# Altium PCB DIOT_temperature_logger.PCBDOC (part 5 of 5)
Units mm, origin at the board's own origin, x right, y up, seen from the top; angles counter-clockwise.
Board outline 238.48 x 100 mm, 4 copper layers (TOP, G1, L2, BOT), stack 1.55 mm thick; 582 components, 585 nets, 2348 pads, 974 vias.
Unrouted connection lines stored in the file: 797.
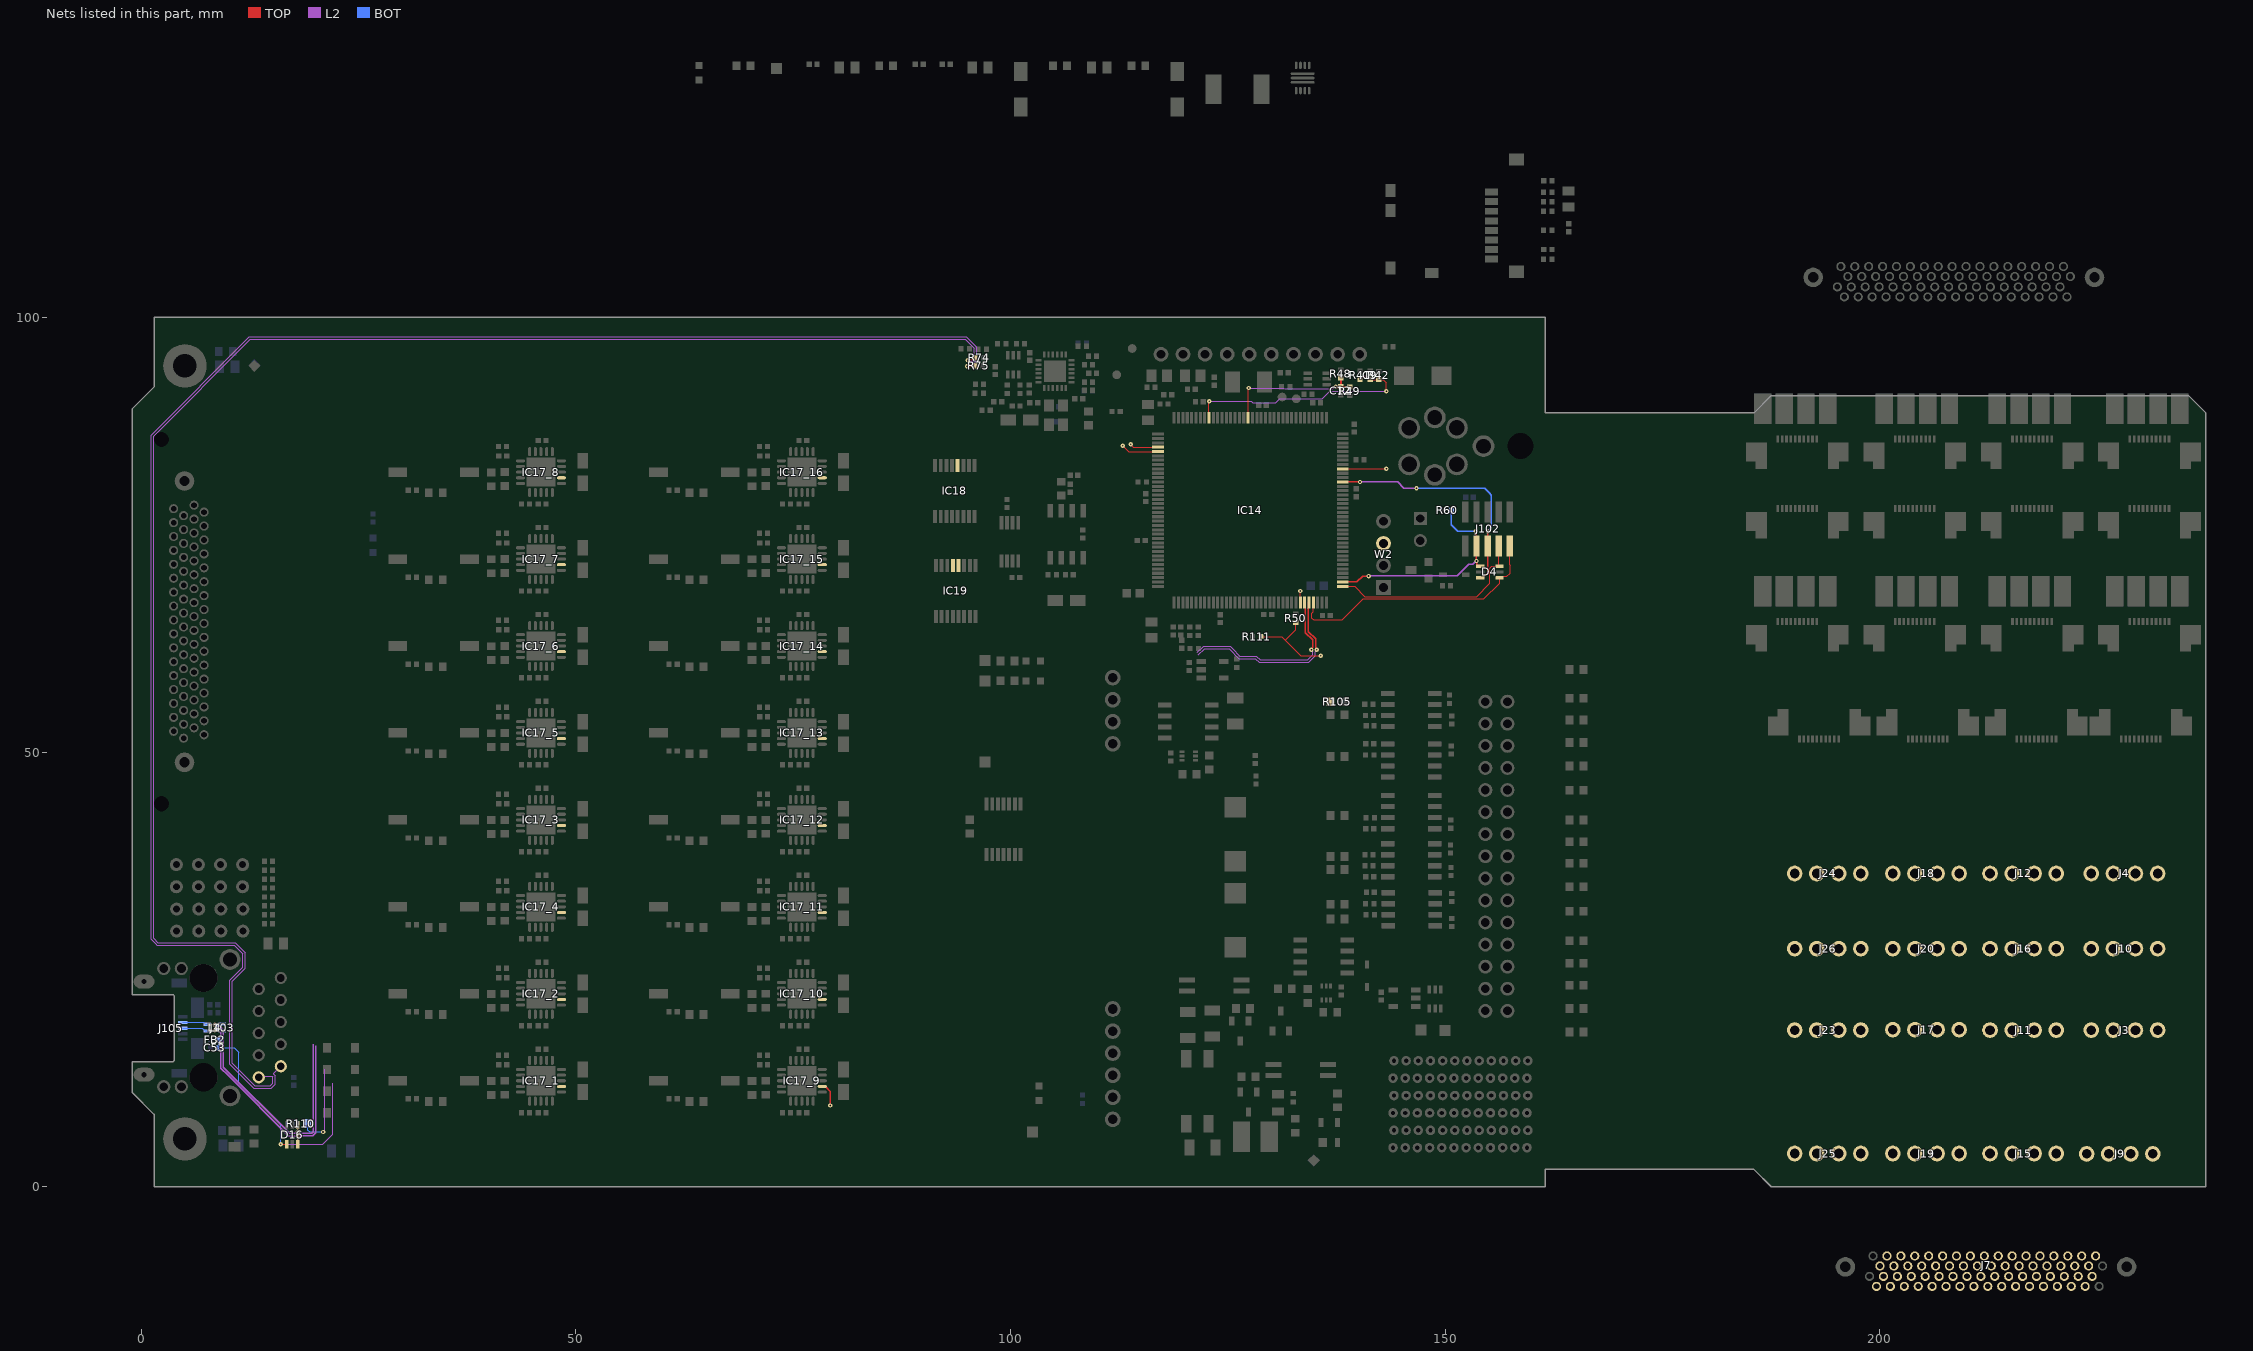
[diagram p7: the nets of this part, all layers, seen from the top]

## Via types
v1: diameter 0.5, hole 0.2, TOP to BOT, tented both sides, 922 vias
v2: diameter 0.7, hole 0.4, TOP to BOT, tented both sides, 39 vias
v3: diameter 0.5, hole 0.2, TOP to BOT, 5 vias
v4: diameter 0.66, hole 0.33, TOP to BOT, tented both sides, 5 vias
v5: diameter 0.6, hole 0.3, TOP to BOT, tented both sides, 2 vias
v6: diameter 0.6, hole 0.3, TOP to BOT, 1 vias

## Nets (pads, with @x,y where several pads share a name; then routed paths per layer and width w, separated by ;. In a path a pad name is that pad's centre, name@x,y a point inside that pad or via, vN(x,y) a via of type N, cw(c..) or ccw(c..) an arc to the next point about the centre after c; other vN are vias at no path point) (continued)
SPI1_NSS: IC14.40 IC18.4 IC19.4 IC19.5 | length 3.3
  TOP w0.127: v1(113.837,85.394) 113.837,85.344 114.112,85.069 115.967,85.069 IC14.40@116.953,85.069
SPI1_SCK: IC14.41 IC17_1.12 IC17_2.12 IC17_3.12 IC17_4.12 IC17_5.12 IC17_6.12 IC17_7.12 IC17_8.12 IC17_9.12 IC17_10.12 IC17_11.12 IC17_12.12 IC17_13.12 IC17_14.12 IC17_15.12 IC17_16.12 R105.1 | length 7.1
  TOP w0.127: v1(112.911,85.244) 113.586,84.569 IC14.41@116.953,84.569
  TOP w0.2: IC17_9.12@78.35,11.55 78.7,11.55 79.281,10.969 v1(79.281,9.351)
SWCLK: D4.3 IC14.109 J102.4 | length 23.3
  TOP w0.127: IC14.109@138.203,69.069 139.578,69.069 140.767,67.879 153.619,67.879 155.14,69.401 155.14,71.158 155.346,71.363 D4.3@155.937,71.363 ; J102.4@156.13,73.6 156.13,71.556 D4.3@155.937,71.363 ; D4.3@156.24,71.363 D4.3@155.937,71.363
SWDIO: D4.1 IC14.105 J102.2 | length 30.4
  TOP w0.127: IC14.105@134.828,67.194 134.828,66.136 134.664,65.972 134.664,65.398 134.855,65.208 138.161,65.208 140.579,67.625 154.441,67.625 156.24,69.425 D4.1@156.24,70.063 156.377,70.2 157.101,70.2 157.449,70.548 157.449,71.507 157.4,71.556 J102.2@157.4,73.6
TD_N: J103.2 R75.2 | length 195.5
  TOP w0.152: v1(95,94.373) 95.837,94.373 R75.2@95.899,94.435
  L2 w0.127: J103.2@16.079,13.865 16.079,13.828 16.042,13.828 15.281,13.066 15.281,12.924 15.439,12.766 15.439,11.804 14.972,11.337 12.96,11.337 10.225,14.072 10.225,23.74 11.719,25.235 11.719,26.78 11.242,27.257 10.704,27.796 1.834,27.796 1.752,27.877 1.171,28.459 1.171,86.458 12.472,97.759 94.914,97.759 95.543,97.13 95.642,97.031 96.136,96.537 96.136,95.113 95.605,94.582 95.261,94.582 95.052,94.373 v1(95,94.373)
TD_P: J103.1 R74.2 | length 193.3
  TOP w0.152: v1(95.07,95.07) 95.137,95.137 95.536,95.137 95.562,95.163 95.757,95.163 R74.2@95.929,95.335
  L2 w0.127: J103.1@13.539,12.595 13.671,12.726 15.083,12.726 15.159,12.65 15.159,11.919 14.856,11.616 13.076,11.616 10.504,14.188 10.504,23.624 11.999,25.119 11.999,26.896 10.82,28.075 1.95,28.075 1.45,28.575 1.45,86.342 12.588,97.48 94.798,97.48 95.857,96.421 95.857,95.229 95.489,94.861 95.331,94.861 95.122,95.07 v1(95.07,95.07)
TDI: D4.4 IC14.110 J102.8 R60.1 | length 26
  TOP w0.152: IC14.110@138.203,69.569 139.825,69.569 140.496,70.239 v1(141.186,70.239) ; v1(153.5,75.387) 153.545,75.342 153.545,72.025 v1(153.59,71.98) 153.642,71.929 D4.4@153.642,71.487 ; D4.4@153.642,71.487 153.917,71.487 D4.4@154.04,71.363 153.765,71.363 D4.4@153.642,71.487
  L2 w0.152: v1(141.186,70.239) 141.217,70.27 151.374,70.27 152.682,71.578 153.188,71.578 v1(153.59,71.98)
  BOT w0.152: R60.1@150.701,77.796 150.701,76.153 151.467,75.387 v1(153.5,75.387)
TDO: D4.6 IC14.133 J102.6 | length 27.9
  TOP w0.152: IC14.133@138.203,81.069 v1(140.2,81.069) ; D4.6@154.04,70.063 154.315,70.063 154.562,70.31 154.6,70.31 154.86,70.57 154.86,75.383 v1(154.864,75.387)
  L2 w0.152: v1(140.2,81.069) 144.528,81.069 145.247,80.35 v1(146.7,80.35)
  BOT w0.152: v1(146.7,80.35) 154.519,80.35 155.048,79.822 155.313,79.556 155.313,79.545 155.32,79.539 155.32,75.843 v1(154.864,75.387)
TFORCE_N0: J3.1 J7.5
TFORCE_N1: J7.9 J9.1
TFORCE_N2: J7.13 J11.1
TFORCE_N3: J7.17 J15.1
TFORCE_N4: J7.21 J17.1
TFORCE_N5: J7.25 J19.1
TFORCE_N6: J7.29 J23.1
TFORCE_N7: J7.33 J25.1
TFORCE_N8: J4.1@231.925,36.036 J7.39
TFORCE_N9: J7.43 J10.1
TFORCE_N10: J7.47 J12.1
TFORCE_N11: J7.51 J16.1
TFORCE_N12: J7.55 J18.1
TFORCE_N13: J7.59 J20.1
TFORCE_N14: J7.63 J24.1
TFORCE_N15: J7.67 J26.1
TFORCE_P0: J3.4 J7.2
TFORCE_P1: J7.6 J9.4
TFORCE_P2: J7.10 J11.4
TFORCE_P3: J7.14 J15.4
TFORCE_P4: J7.18 J17.4
TFORCE_P5: J7.22 J19.4
TFORCE_P6: J7.26 J23.4
TFORCE_P7: J7.30 J25.4
TFORCE_P8: J4.4 J7.36
TFORCE_P9: J7.40 J10.4
TFORCE_P10: J7.44 J12.4
TFORCE_P11: J7.48 J16.4
TFORCE_P12: J7.52 J18.4
TFORCE_P13: J7.56 J20.4
TFORCE_P14: J7.60 J24.4
TFORCE_P15: J7.64 J26.4
TRTDIN_N0: J3.2 J7.4
TRTDIN_N1: J7.8 J9.2
TRTDIN_N2: J7.12 J11.2
TRTDIN_N3: J7.16 J15.2
TRTDIN_N4: J7.20 J17.2
TRTDIN_N5: J7.24 J19.2
TRTDIN_N6: J7.28 J23.2
TRTDIN_N7: J7.32 J25.2
TRTDIN_N8: J4.2@229.385,36.036 J7.38
TRTDIN_N9: J7.42 J10.2
TRTDIN_N10: J7.46 J12.2
TRTDIN_N11: J7.50 J16.2
TRTDIN_N12: J7.54 J18.2
TRTDIN_N13: J7.58 J20.2
TRTDIN_N14: J7.62 J24.2
TRTDIN_N15: J7.66 J26.2
TRTDIN_P0: J3.3 J7.3
TRTDIN_P1: J7.7 J9.3
TRTDIN_P2: J7.11 J11.3
TRTDIN_P3: J7.15 J15.3
TRTDIN_P4: J7.19 J17.3
TRTDIN_P5: J7.23 J19.3
TRTDIN_P6: J7.27 J23.3
TRTDIN_P7: J7.31 J25.3
TRTDIN_P8: J4.3@226.845,36.036 J7.37
TRTDIN_P9: J7.41 J10.3
TRTDIN_P10: J7.45 J12.3
TRTDIN_P11: J7.49 J16.3
TRTDIN_P12: J7.53 J18.3
TRTDIN_P13: J7.57 J20.3
TRTDIN_P14: J7.61 J24.3
TRTDIN_P15: J7.65 J26.3
TXD: IC14.136 W2.3 | length 5
  TOP w0.127: IC14.136@138.203,82.569 143.224,82.569 v1(143.231,82.575)
U_meas_P3V3: C12.1 IC14.19 R48.1 R49.1 | length 16.2
  TOP w0.127: IC14.19@127.328,88.444 127.367,88.483 127.367,91.833 v1(127.406,91.872)
  TOP w0.254: v1(137.387,92) C12.1@138,92 ; R48.1@138,93.03 C12.1@138,92 ; R49.1@139,91.97 138.985,91.985 138.015,91.985 C12.1@138,92
  L2 w0.127: v1(127.406,91.872) 131.447,91.872 131.559,91.76 137.046,91.76 137.286,92 v1(137.387,92)
U_meas_P12V0: C9.1 IC14.28 R41.1 R42.1 | length 27.5
  TOP w0.127: IC14.28@122.828,88.444 122.828,90.318 v1(122.865,90.355) ; R41.1@140.2,92.864 140.22,92.864 140.666,93.31 140.938,93.31 141.404,92.844 R42.1@142.345,92.844 142.845,92.844 143.231,92.459 v1(143.231,91.491)
  L2 w0.127: v1(122.865,90.355) 127.693,90.355 127.884,90.164 130.481,90.164 130.951,90.634 135.877,90.634 136.733,91.491 v1(143.231,91.491)
USB_ID: C53.2 D16.1 FB2.1 IC14.102 | length 30.4
  TOP w0.127: v1(16.079,4.9) D16.1@16.75,4.9 ; IC14.102@133.328,67.194 v1(133.328,68.534)
  L2 w0.127: v1(16.079,4.9) 20.888,4.9 22.056,6.067 22.056,11.919
  BOT w0.127: FB2.1@8.945,16.925 8.945,15.985 C53.2@8.935,15.975 10.724,15.975 11.239,15.46 11.239,11.97 16.079,7.13 v1(16.079,4.9)
USB_N: D16.4 IC14.103 L4.2 | length 51.6
  TOP w0.127: v1(18.033,6.316) 18.033,7.083 D16.4@18.05,7.1
  TOP w0.17: IC14.103@133.828,67.194 133.917,67.105 133.917,63.734 134.757,62.894 134.757,62.012
  L2 w0.127: 121.481,61.454 122.205,62.178 125.25,62.178 125.878,61.55 125.977,61.451 126.391,61.036 128.262,61.036 128.699,60.599 134.194,60.599 134.778,61.184 134.778,61.54 134.604,61.714 v1(134.604,61.77)
  L2 w0.152: v1(8.475,18.636) 8.569,18.636 8.73,18.474 9.079,18.474 9.484,18.07 9.484,13.778 17.118,6.144 17.77,6.144 17.942,6.316 v1(18.033,6.316) 18.127,6.316 18.277,6.166 19.641,6.166 19.8,6.325 19.8,16.373
  BOT w0.127: 8.684,18.462 8.916,18.462 8.938,18.485 8.938,18.586 9.075,18.722 L4.2@9.325,18.722
USB_P: D16.3 IC14.104 L4.3 | length 52
  TOP w0.127: v1(18.048,5.689) 18.048,4.902 D16.3@18.05,4.9
  TOP w0.17: IC14.104@134.328,67.194 134.239,67.105 134.239,63.867 135.079,63.027 135.079,62.012
  L2 w0.127: 121.596,61.175 122.32,61.898 125.134,61.898 126.276,60.757 128.146,60.757 128.583,60.32 134.31,60.32 135.058,61.068 135.058,61.54 135.231,61.714 v1(135.231,61.77)
  L2 w0.152: v1(8.475,18.009) 8.569,18.009 8.73,18.17 8.953,18.17 9.179,17.944 9.179,13.652 10.021,12.811 10.236,12.595 16.992,5.839 17.804,5.839 ; v1(18.048,5.689) 18.139,5.689 18.311,5.862 19.767,5.862 20.104,6.199 20.104,16.247
  BOT w0.127: 8.684,18.183 8.916,18.183 8.938,18.16 8.938,18.059 9.075,17.922 L4.3@9.325,17.922
USB_VBUS: R50.2 R110.1 R111.1 | length 20.3
  TOP w0.127: R111.1@128.798,63.294 131.193,63.294 131.62,62.867 ; R50.2@132.828,64.929 132.828,64.075 131.62,62.867 ; v1(135.691,61.094) 133.393,61.094 131.62,62.867
  L2 w0.127: v1(20.94,6.307) 21.15,6.517 21.15,13.55
  BOT w0.127: R110.1@19.175,7.275 19.175,6.525 19.393,6.307 v1(20.94,6.307)
USBJ_N: J105.2 L4.1 | length 2.9
  BOT w0.127: J105.2@4.8,18.9 7.197,18.9 7.375,18.722 L4.1@7.625,18.722
USBJ_P: J105.3 L4.4 | length 3
  BOT w0.127: J105.3@4.8,18.25 7.047,18.25 7.375,17.922 L4.4@7.625,17.922
pads on no net: D1.1 D1.6 D2.2 D15.1 D15.6 D16.6 FTG1.1 FTG2.1 FTG3.1 FTG4.1 IC3.3@143.394,43.733 IC3.4@111.76,15.373 IC3.5 IC3.6 IC3.9 IC4.3@148.794,43.733 IC4.4@148.794,45.003 IC4.6 IC5.3 IC5.4 IC5.6 IC6.5 IC6.6 IC12.5 IC14.3 IC14.4 IC14.5 IC14.12 IC14.14 IC14.15 IC14.18 IC14.26 IC14.29 IC14.34 IC14.37 IC14.46 IC14.47 IC14.49 IC14.58 IC14.60 IC14.64 IC14.67 IC14.70 IC14.81 IC14.82 IC14.85 IC14.86 IC14.89 IC14.90 IC14.91 IC14.92 IC14.96 IC14.97 IC14.115 IC14.117 IC14.118 IC14.119 IC14.122 IC14.123 IC14.127 IC16.1@104.567,72.361 IC16.3@107.107,72.361 IC16.5@108.377,77.761 IC16.8@104.567,77.761 IC17_1.17 IC17_1.18 IC17_2.17 IC17_2.18 IC17_3.17 IC17_3.18 IC17_4.17 IC17_4.18 IC17_5.17 IC17_5.18 IC17_6.17 IC17_6.18 IC17_7.17 IC17_7.18 IC17_8.17 IC17_8.18 IC17_9.17 IC17_9.18 IC17_10.17 IC17_10.18 IC17_11.17 IC17_11.18 IC17_12.17 IC17_12.18 IC17_13.17 IC17_13.18 IC17_14.17 IC17_14.18 IC17_15.17 IC17_15.18 IC17_16.17 IC17_16.18 J1.MECH J2.MECH J4.2@148.797,88.485 J5.5@158.641,85.185 J5.MECH J6.MECH J7.69 J7.70 J7.71 J7.72 J8.69 J8.70 J8.71 J8.72 J13.MECH J14.MECH J21.MECH J22.MECH J27.MECH J28.MECH J45.MECH J46.MECH J63.MECH J64.MECH J81.MECH J82.MECH J100.A5 J100.B1 J100.B5 J100.B6 J100.C6 J100.D5 J100.E2 J100.E4 J100.E5 J100.F2 J100.F4 J100.G3 J100.H2 J100.H3 J100.H6 J100.I2 J100.I6 J100.J3 J100.K3 J100.K6 J100.L2 J100.L6 J102.7 J102.9 J103.MH1 J103.MH2 J104.71 J104.72
copper on no net: | length 102.4
  TOP w0.127: 123.828,88.444 123.936,88.552 123.936,91.933 v1(124.29,92.287) ; v1(130.791,89.852) 130.81,89.833 130.81,88.462 130.828,88.444 ; 138.203,76.069 141.468,76.069 142.037,75.499 144.533,75.499 144.602,75.569 v1(144.635,75.569) ; v1(143.637,24.765) 145.125,24.765 ; v1(145.4,29.108) 148.851,29.108 149.157,28.803 149.157,28.04 149.157,26.926 149.419,26.665 149.487,26.665 ; 145.718,28.04 145.718,28.02 145.213,27.514 145.213,26.753 v1(146.087,26.753) ; v1(148.319,24.765) 149.487,24.765
  L2 w0.127: v1(124.29,92.287) 124.316,92.312 131.366,92.312 131.664,92.014 135.53,92.014 136.23,92.714 v1(139.3,92.714) ; v1(130.791,89.852) 131.929,89.852 132.193,90.115 135.897,90.115 136.337,89.675 v1(141.805,89.675)
  BOT w0.127: v1(143.637,23.419) 143.738,23.419 143.992,23.165 146.718,23.165 ; v1(143.637,24.765) 144.893,24.765 ; v1(144.635,75.569) 145.492,74.711 145.492,51.621 145.492,39.243 145.214,38.964 145.214,33.01 ; 146.718,24.765 v1(148.319,24.765)
  BOT w0.2: 67.102,14.843 70.3,14.843
  other v1: 183.495,2.567 185.975,2.842 183.495,3.067 185.975,3.342 183.495,3.567 185.975,3.842 183.495,4.067 185.975,4.342 183.495,4.567 185.975,4.842 183.495,5.067 185.975,5.342 183.495,5.584 185.975,5.842 183.495,6.084 183.495,6.584 185.995,6.671 183.495,7.084 185.995,7.171 183.495,7.584 185.995,7.671 183.495,8.084 185.995,8.171 183.495,8.584 185.995,8.671 185.995,9.171 183.495,9.199 185.995,9.671 183.495,9.699 183.495,10.199 185.995,10.671 183.495,10.699 185.995,11.171 183.495,11.199 185.995,11.671 183.495,11.699 185.995,12.171 183.495,12.199 185.995,12.671 183.495,13 185.995,13.171 183.495,13.5 185.995,13.671 183.495,14 183.495,14.5 185.995,14.566 183.495,15 185.995,15.066 183.495,15.5 185.995,15.566 183.495,16 185.995,16.066 185.995,16.566 183.495,17 185.995,17.066 183.495,17.5 185.995,17.566 183.495,18 185.995,18.171 183.495,18.5 185.995,18.671 183.495,19 185.995,19.171 183.495,19.5 185.995,19.671 183.495,20 185.995,20.171 185.995,20.671 183.495,21 185.995,21.171 183.495,21.5 183.495,22 183.495,22.5 183.495,23 183.495,23.5 183.495,24 183.495,25 183.495,25.5 183.495,26 183.495,26.5 183.495,27 183.495,27.5 183.495,28 183.495,29 183.495,29.5 183.495,30 183.495,30.5 183.495,31 183.495,31.5 183.495,32 183.495,32.895 183.495,33.395 183.495,33.895 183.495,34.395 183.495,34.895 183.495,35.395 183.495,35.895 183.495,36.75 183.495,37.25 183.495,37.75 183.495,38.25 183.495,38.75 183.495,39.25 183.495,39.75 183.495,40.59 183.495,41.09 183.495,41.59 184.495,42 184.995,42 185.495,42 185.995,42 186.495,42 186.995,42 187.495,42 188.254,42 188.754,42 189.254,42 189.754,42 190.254,42 190.754,42 191.254,42 191.864,42 192.364,42 192.864,42 193.364,42 193.864,42 194.364,42 194.864,42 195.464,42 195.964,42 196.464,42 196.964,42 197.464,42 197.964,42 198.464,42 199.214,42 199.714,42 200.214,42 200.714,42 201.214,42 201.714,42 202.214,42 202.884,42 203.384,42 203.884,42 204.384,42 204.884,42 205.384,42 205.884,42 206.389,42 206.889,42 207.389,42 207.889,42 208.389,42 208.889,42 209.389,42 209.995,42 210.495,42 210.995,42 211.495,42 211.995,42 212.495,42 212.995,42 213.635,42 214.135,42 214.635,42 215.135,42 215.635,42 216.135,42 216.635,42 217.274,42 217.774,42 218.274,42 218.774,42 219.274,42 219.774,42 220.274,42 220.995,42 221.495,42 221.995,42 222.495,42 222.995,42 223.495,42 223.995,42 224.724,42 225.224,42 225.724,42 226.224,42 226.724,42 227.224,42 227.724,42 228.384,42 228.884,42 229.384,42 229.884,42 230.384,42 230.884,42 231.384,42 231.964,42 232.464,42 232.964,42 233.464,42 233.964,42 234.464,42 234.964,42 235.495,42 235.995,42 236.495,42 183.495,42.09 183.495,42.59 185.995,43 183.495,43.09 185.995,43.5 183.495,43.59 185.995,44 183.495,44.481 185.995,44.5 183.495,44.981 185.995,45 183.495,45.481 185.995,45.5 183.495,45.981 185.995,46 183.495,46.481 183.495,46.981 185.995,47 183.495,47.481 185.995,47.5 185.995,48 183.495,48.5 185.995,48.5 183.495,49 185.995,49 183.495,49.5 185.995,49.5 183.495,50 185.995,50 183.495,50.5 185.995,50.895 183.495,51 185.995,51.395 183.495,51.5 185.995,51.895 207.745,52.277 183.495,52.397 185.995,52.395 185.995,52.895 183.495,52.897 183.495,53.397 185.995,53.395 183.495,53.897 185.995,53.895 183.495,54.397 185.995,54.5 183.495,54.897 185.995,55 183.495,55.397 185.995,55.5 185.995,56 183.495,56.334 185.995,56.5 183.495,56.834 185.995,57 183.495,57.334 185.995,57.5 183.495,57.834 183.495,58.334 184.495,58.632 184.995,58.632 185.495,58.632 185.995,58.632 186.495,58.632 186.995,58.632 187.495,58.632 188.254,58.632 188.754,58.632 189.254,58.632 189.754,58.632 190.254,58.632 190.754,58.632 191.254,58.632 191.864,58.632 192.364,58.632 192.864,58.632 193.364,58.632 193.864,58.632 194.364,58.632 194.864,58.632 195.464,58.632 195.964,58.632 196.464,58.632 196.964,58.632 197.464,58.632 197.964,58.632 198.464,58.632 199.214,58.632 199.714,58.632 200.214,58.632 200.714,58.632 201.214,58.632 201.714,58.632 202.214,58.632 202.884,58.632 203.384,58.632 203.884,58.632 204.384,58.632 204.884,58.632 205.384,58.632 205.884,58.632 206.389,58.632 206.889,58.632 207.389,58.632 207.889,58.632 208.389,58.632 208.889,58.632 209.389,58.632 209.995,58.632 210.495,58.632 210.995,58.632 211.495,58.632 211.995,58.632 212.495,58.632 212.995,58.632 213.635,58.632 214.135,58.632 214.635,58.632 215.135,58.632 215.635,58.632 216.135,58.632 216.635,58.632 217.274,58.632 217.774,58.632 218.274,58.632 218.774,58.632 219.274,58.632 219.774,58.632 220.274,58.632 220.995,58.632 221.495,58.632 221.995,58.632 222.495,58.632 222.995,58.632 223.495,58.632 223.995,58.632 224.724,58.632 225.224,58.632 225.724,58.632 226.224,58.632 226.724,58.632 227.224,58.632 227.724,58.632 228.384,58.632 228.884,58.632 229.384,58.632 229.884,58.632 230.384,58.632 230.884,58.632 231.384,58.632 231.964,58.632 232.464,58.632 232.964,58.632 233.464,58.632 233.964,58.632 234.464,58.632 234.964,58.632 235.495,58.632 235.995,58.632 236.495,58.632 183.495,58.834 183.495,59.334 224.495,59.482 197.464,59.5 210.964,59.5 197.464,60 210.964,60 224.495,59.982 183.495,60.271 224.495,60.482 197.464,60.5 210.964,60.5 183.495,60.771 224.495,60.982 197.464,61 210.964,61 183.495,61.271 197.464,61.5 210.964,61.5 224.495,61.482 183.495,61.771 224.495,62 197.464,62.018 210.964,62.018 183.495,62.271 197.464,62.518 210.964,62.518 224.495,62.5 183.495,62.771 224.495,63 197.464,63.018 210.964,63.018 183.495,63.271 224.495,63.5 197.464,63.518 210.964,63.518 197.464,64.018 210.964,64.018 224.495,64 183.495,64.209 224.495,64.5 197.464,64.518 210.964,64.518 183.495,64.709 224.495,65 197.464,65.018 210.964,65.018 183.495,65.209 183.495,65.709 197.464,65.795 210.964,65.795 224.495,65.777 183.495,66.209 224.495,66.277 197.464,66.295 210.964,66.295 183.495,66.709 224.495,66.777 197.464,66.795 210.964,66.795 183.495,67.209 197.464,67.295 210.964,67.295 224.495,67.277 224.495,67.777 197.464,67.795 210.964,67.795 183.495,68 224.495,68.277 197.464,68.295 210.964,68.295 183.495,68.5 197.464,68.795 210.964,68.795 224.495,68.777 183.495,69 224.495,69.392 197.464,69.41 210.964,69.41 183.495,69.5 197.464,69.91 210.964,69.91 224.495,69.892 183.495,70 224.495,70.392 197.464,70.41 210.964,70.41 183.495,70.5 183.495,71 184.495,71 184.995,71 185.495,71 185.995,71 186.495,71 186.995,71 187.495,71 188.254,71 188.754,71 189.254,71 189.754,71 190.254,71 190.754,71 191.254,71 191.864,71 192.364,71 192.864,71 193.364,71 193.864,71 194.364,71 194.864,71 195.464,71 195.964,71 196.464,71 196.964,71 197.464,71 197.964,71 198.464,71 199.214,71 199.714,71 200.214,71 200.714,71 201.214,71 201.714,71 202.214,71 202.884,71 203.384,71 203.884,71 204.384,71 204.884,71 205.384,71 205.884,71 206.389,71 206.889,71 207.389,71 207.889,71 208.389,71 208.889,71 209.389,71 209.995,71 210.495,71 210.995,71 211.495,71 211.995,71 212.495,71 212.995,71 213.635,71 214.135,71 214.635,71 215.135,71 215.635,71 216.135,71 216.635,71 217.274,71 217.774,71 218.274,71 218.774,71 219.274,71 219.774,71 220.274,71 220.995,71 221.495,71 221.995,71 222.495,71 222.995,71 223.495,71 223.995,71 224.724,71 225.224,71 225.724,71 226.224,71 226.724,71 227.224,71 227.724,71 228.384,71 228.884,71 229.384,71 229.884,71 230.384,71 230.884,71 231.384,71 231.964,71 232.464,71 232.964,71 233.464,71 233.964,71 234.464,71 234.964,71 235.495,71 235.995,71 236.495,71 183.495,71.48 183.495,71.98 183.495,72.48 183.495,72.98 183.495,73.48 183.495,73.98 183.495,74.48 183.495,75 183.495,75.5 183.495,76 183.495,76.5 183.495,77 183.495,77.5 183.495,78 183.495,78.5 183.495,79 183.495,79.5 183.495,80 183.495,80.5 183.495,81 183.495,81.5 183.495,82 183.495,82.5 183.495,83 183.495,83.5 183.495,84 183.495,84.5 183.495,85 183.495,85.5 183.495,86 183.495,86.5 183.495,87 183.495,87.5 183.495,88

## Polygon pours and split planes (outlines as drawn)
P3V3 on TOP "O8_Vs2" (solid, remove dead copper, shelved, pour order 53): 113.723,92.55 113.723,65.094 115.84,62.977 137.87,62.977 139.744,61.102 142.697,61.102 143.217,61.623 143.217,66.56 144.536,67.879 153.05,67.879 154.864,69.693 154.864,77.655 152.95,79.569 145.248,79.569 142.866,81.951 142.866,96.426 141.659,97.632 115.546,97.632 113.575,95.661 113.575,92.53
P12V0_IN on TOP "TOP-P12V0_IN" (solid, remove dead copper, shelved, pour order 51): 125.376,51.393 125.883,50.886 129.31,50.886 130.086,51.662 133.49,51.662 133.525,51.697 133.798,51.424 133.798,22.163 135.763,20.198 145.461,10.5 151.052,10.5 151.749,11.197 151.749,13.757 148.603,16.904 145.799,16.904 140.223,22.48 140.223,55.798 141.447,57.023 153.775,57.023 161.5,64.748 161.5,90.036 155.036,96.5 145.039,96.5 143.529,94.989 143.529,82.361 145.621,80.269 156.7,80.269 157.803,79.166 157.803,67.209 151.284,60.691 134.244,60.691 133.234,59.68 133.234,55.164 126.137,55.207 125.376,54.447
P12V0_POE on TOP "O8_Vs2" (solid, remove dead copper, shelved, pour order 48): 133.554,51.308 133.579,31.572 115.864,31.572 115.864,56 117.014,57.15 123.654,57.15 124.71,56.094 124.71,48.792 126.375,47.127 128.165,47.127 128.828,47.789 128.828,49.768 130.368,51.308
P12V0 on TOP "O8_Vs2" (solid, remove dead copper, shelved, pour order 55): 108.687,58.007 113.011,62.332 122.497,62.332 126.298,58.531 131.895,58.531 132.705,57.721 132.705,55.842 132.344,55.481 125.668,55.481 121.785,59.364 116.705,59.364 115.637,58.296 115.637,25.382 113.011,22.757 113.011,3.711 111.4,2.1 109.425,2.1 108.687,2.838
P12V0_EEM on TOP "O8_Vs2" (solid, remove dead copper, shelved, pour order 47): 152.578,9.042 159.004,9.042 161.011,11.049 161.011,22.758 159.588,24.181 154.178,24.181 152.537,22.54 152.537,9.109 152.578,9.068
AVDDT_PHY on BOT "O8_Vs2" (solid, remove dead copper, shelved, pour order 56): 102.46,97.104 104.22,95.344 104.22,89.38 102.775,87.935 95.758,87.935 93.929,89.764 93.929,94.417 95.535,96.023 97.378,96.023 98.46,97.104
P3V3 on L2 "O8_Vs2" (solid, remove dead copper, shelved, pour order 52): 140.382,27.356 140.382,60.022 137.344,63.059 115.376,63.059 114.117,64.318 114.117,67.407 115.739,69.029 132.358,69.029 135.078,71.749 135.078,86.951 134.536,87.493 107.96,87.493 105.825,89.628 86.013,89.628 85.319,90.322 85.319,92.498 85.217,92.6 88.304,95.687 114.53,95.687 116.843,98 149.071,98 158.318,88.753 158.318,29.591 154.404,25.677 141.274,25.677 140.411,26.539 140.411,27.356
GND on G1 (split plane): 160.984,89 160.994,88.9 161.023,88.805 161.07,88.716 161.134,88.639 161.211,88.576 161.299,88.528 161.395,88.499 161.495,88.49 185.495,88.49 185.594,88.499 185.69,88.528 185.778,88.576 185.856,88.639 187.706,90.49 235.283,90.49 236.984,88.789 236.984,0.51 187.706,0.51 185.856,2.361 185.778,2.424 185.69,2.472 185.594,2.501 185.495,2.51 161.495,2.51 161.395,2.501 161.299,2.472 161.211,2.424 161.134,2.361 161.07,2.284 161.023,2.195 160.994,2.1 160.984,2 160.984,0.51 2.01,0.51 2.01,8.32 2.001,8.419 1.972,8.515 1.924,8.603 1.861,8.681 -0.479,11.02 -0.479,13.89 3.7,13.89 3.8,13.899 3.895,13.928 3.984,13.976 4.061,14.039 4.161,14.139 4.224,14.216 4.272,14.305 4.301,14.4 4.31,14.5 4.31,22 4.301,22.1 4.272,22.195 4.224,22.284 4.161,22.361 4.061,22.461 3.984,22.524 3.895,22.572 3.8,22.601 3.7,22.61 -0.479,22.61 -0.479,89.299 0.861,90.639 1.861,91.639 1.924,91.716 1.972,91.805 2.001,91.9 2.01,92 2.01,99.489 160.984,99.489

## Keep-outs
KeepOutLayer:
  lines w0.254: 160.56,85.164 cw(c158.641,85.185) 160.56,85.185 ; 183.092,1.597 185.898,1.597 187.495,0 237.495,0 237.495,21.367 237.918,21.79 237.918,51.356 237.495,51.779 237.495,89 235.495,91 187.495,91 185.747,89.252 183.242,89.252

## Other copper
TOP:
  rectangle net LVDS0_P: 149.428,55.27 149.835,55.601
  rectangle net LVDS0_N: 149.377,56.439 149.835,56.794
  rectangle net NetIC1_3: 141.656,55.296 142.164,55.677
  rectangle net NetIC10_7: 141.986,32.334 142.723,32.817
  rectangle net NetIC10_6: 142.037,31.039 142.773,31.572
  rectangle net LVDS3_N: 150.038,40.996 150.495,41.402
  rectangle net LVDS4_P: 149.143,37.877 150.084,38.457
  rectangle net LVDS4_N: 149.09,39.191 149.988,39.746
BOT:
  rectangle net GND: 104.135,92.759 106.135,94.872
  rectangle net LVDS0_N: 149.377,56.439 149.86,56.82
  rectangle net LVDS0_P: 149.352,55.22 149.835,55.677
  rectangle net LVDS4_N: 149.428,39.294 149.809,39.675
  rectangle net LVDS4_P: 149.352,37.998 149.809,38.405
  rectangle net NetIC10_6: 142.367,31.064 142.9,31.521
G1 (plane layer: these items are gaps in the copper):
  rectangle: 14.475,22 15.878,23.525

## Silkscreen, mask and mechanical layers (free items; w line width, h text height)
TopOverlay:
  drawing of 542 lines, arcs and shapes, not listed
  text "WUT ISE / CTI 2024" at 94.75,97.627 h1.02
  text "PT1000_8CH v2.0" at 65,97.5 h1.52
  text "+12V" at 151.473,91.215 h1.02
  text "BOOT" at 146.8,77.427 h1 r270
  text "UART" at 140.132,76.54 h1
  text "GND" at 141.186,75.007 h1 r90
  text "TX" at 139.268,73.075 h1
  text "RX" at 139.144,70.732 h1
  text "CPU JTAG" at 156.997,69.113 h1
  text "3V3" at 140.843,66.75 h1 r90
  text "SENS6" at 196.32,66.481 h0.76 r90
  text "SENS4" at 210.145,66.295 h0.76 r90
  text "SENS2" at 223.345,66.237 h0.76 r90
  text "SENS0" at 236.545,65.902 h0.76 r90
  text "F+" at 185.845,65.734 h0.76
  text "F+" at 185.845,65.734 h0.76
  text "I+" at 188.25,65.734 h0.76
  text "I+" at 188.25,65.734 h0.76
  text "I-" at 190.655,65.734 h0.76
  text "I-" at 190.655,65.734 h0.76
  text "F-" at 193.06,65.734 h0.76
  text "F-" at 193.06,65.734 h0.76
  text "F+" at 199.845,65.734 h0.76
  text "I+" at 202.25,65.734 h0.76
  text "I-" at 204.655,65.734 h0.76
  text "F-" at 207.06,65.734 h0.76
  text "F+" at 212.845,65.734 h0.76
  text "I+" at 215.25,65.734 h0.76
  text "I-" at 217.655,65.734 h0.76
  text "F-" at 220.06,65.734 h0.76
  text "F+" at 226.345,65.734 h0.76
  text "I+" at 228.75,65.734 h0.76
  text "I-" at 231.155,65.734 h0.76
  text "F-" at 233.56,65.734 h0.76
  text "EEM Downstream" at 150.956,64.15 h1
  text "/ Upstream" at 150.756,62.02 h1
  text "SENS 0 1" at 225.539,48.745 h1.27
  text "SENS 2 3" at 212.785,48.693 h1.27
  text "SENS 6 7" at 186.766,48.641 h1.27
  text "SENS 4 5" at 199.279,48.632 h1.27
  text "P3V3" at 62.153,36.378 h0.7 r90
  text "SDA" at 148.196,15.64 h1
  text "SCL" at 144.877,15.566 h1
  text "4" at 189.674,14.461 h0.76 r180
  text "1" at 198.781,14.461 h0.76 r180
  text "4" at 223.254,14.461 h0.76 r180
  text "1" at 232.361,14.461 h0.76 r180
  text "SENS6" at 190.071,12.913 h1.52
  text "SENS4" at 202.509,12.913 h1.52
  text "SENS2" at 213.751,12.913 h1.52
  text "SENS0" at 223.636,12.913 h1.52
  text "P12V0" at 107.872,7.641 h0.7 r90
  text "4-F+ / 3-I+ / 2-I- / 1-F-" at 232.564,7.413 h1.02
  text "1" at 222.786,7.305 h0.76
  text "4" at 231.894,7.305 h0.76
  text "SENS7" at 190.071,6.933 h1.52
  text "SENS5" at 201.865,6.933 h1.52
  text "SENS3" at 212.995,6.933 h1.52
  text "SENS1" at 223.995,6.883 h1.52
BottomOverlay:
  drawing of 541 lines, arcs and shapes, not listed
  text "WUT ISE / CTI 2024" at 33.25,97.627 h1.02
  text "PT1000_8CH v2.0" at 62.75,97.5 h1.52
  text "F+" at 185.845,66.766 h0.76 r180
  text "I+" at 188.25,66.766 h0.76 r180
  text "I-" at 190.655,66.766 h0.76 r180
  text "F-" at 193.06,66.766 h0.76 r180
  text "F+" at 199.845,66.766 h0.76 r180
  text "I+" at 202.25,66.766 h0.76 r180
  text "I-" at 204.655,66.766 h0.76 r180
  text "F-" at 207.06,66.766 h0.76 r180
  text "F+" at 212.845,66.766 h0.76 r180
  text "I+" at 215.25,66.766 h0.76 r180
  text "I-" at 217.655,66.766 h0.76 r180
  text "F-" at 220.06,66.766 h0.76 r180
  text "F+" at 226.345,66.766 h0.76 r180
  text "I+" at 228.75,66.766 h0.76 r180
  text "I-" at 231.155,66.766 h0.76 r180
  text "F-" at 233.56,66.766 h0.76 r180
  text "SENS7" at 195.464,66.49 h0.76 r270
  text "SENS5" at 209.165,66.361 h0.76 r270
  text "SENS3" at 222.495,66.237 h0.76 r270
  text "SENS1" at 235.645,66.074 h0.76 r270
BottomSolder:
  rectangle: 47.142,61.9 53.848,64.872
  rectangle: 104.191,92.862 106.045,94.742
Mechanical1:
  lines w0.1: -0.989,10.809 -0.989,14.4 3.7,14.4 3.8,14.5 3.8,22 3.7,22.1 -0.989,22.1 -0.989,89.511 0.5,91 1.5,92 1.5,100 161.495,100 161.495,89 185.495,89 187.495,91 235.495,91 237.495,89 237.495,0 236.495,0 187.495,0 185.495,2 161.495,2 161.495,0 1.5,0 1.5,8.32 -0.989,10.809

## Text inside footprints (layer, text, board x,y; h text height)
IC3: TopOverlay "1" at 112.31,5.639 h1.2 r90; Mechanical14 "1" at 112.31,5.639 h1.2 r90
J3: TopOverlay "4" at 224.686,16.255 h1 r180; TopOverlay "1" at 232.052,16.255 h1 r180; TopOverlay "2" at 229.766,16.255 h1 r180; TopOverlay "3" at 227.226,16.255 h1 r180
J4: TopOverlay "4" at 224.686,34.258 h1 r180; TopOverlay "1" at 232.052,34.258 h1 r180; TopOverlay "2" at 229.766,34.258 h1 r180; TopOverlay "3" at 227.226,34.258 h1 r180
J5: TopOverlay "1" at 150.391,89.66 h1.2 r270; Mechanical14 "1" at 150.391,89.66 h1.2 r270
J7: Mechanical14 "33" at 200.575,-13.771 h1.2; Mechanical14 "1" at 225.354,-13.773 h1.2; BottomOverlay "33" at 200.575,-13.771 h1.2; BottomOverlay "68" at 199.889,-6.939 h1.2; BottomOverlay "1" at 225.354,-13.773 h1.2; BottomOverlay "36" at 225.489,-6.939 h1.2; Mechanical8 "EDGE OF PCB" at 216.212,-2.478 h1
J8: Mechanical14 "33" at 196.875,100.029 h1.2; Mechanical14 "1" at 221.654,100.027 h1.2; BottomOverlay "33" at 196.875,100.029 h1.2; BottomOverlay "68" at 196.189,106.861 h1.2; BottomOverlay "1" at 221.654,100.027 h1.2; BottomOverlay "36" at 221.789,106.861 h1.2; Mechanical8 "EDGE OF PCB" at 212.512,111.322 h1
J9: TopOverlay "4" at 231.003,5.561 h1; TopOverlay "1" at 223.637,5.561 h1; TopOverlay "2" at 225.923,5.561 h1; TopOverlay "3" at 228.463,5.561 h1
J10: TopOverlay "4" at 224.686,25.622 h1 r180; TopOverlay "1" at 232.052,25.622 h1 r180; TopOverlay "2" at 229.766,25.622 h1 r180; TopOverlay "3" at 227.226,25.622 h1 r180
J11: TopOverlay "4" at 213.035,16.255 h1 r180; TopOverlay "1" at 220.401,16.255 h1 r180; TopOverlay "2" at 218.115,16.255 h1 r180; TopOverlay "3" at 215.575,16.255 h1 r180
J12: TopOverlay "4" at 213.035,34.258 h1 r180; TopOverlay "1" at 220.401,34.258 h1 r180; TopOverlay "2" at 218.115,34.258 h1 r180; TopOverlay "3" at 215.575,34.258 h1 r180
J15: TopOverlay "4" at 219.893,5.611 h1; TopOverlay "1" at 212.527,5.611 h1; TopOverlay "2" at 214.813,5.611 h1; TopOverlay "3" at 217.353,5.611 h1
J16: TopOverlay "4" at 213.035,25.622 h1 r180; TopOverlay "1" at 220.401,25.622 h1 r180; TopOverlay "2" at 218.115,25.622 h1 r180; TopOverlay "3" at 215.575,25.622 h1 r180
J17: TopOverlay "4" at 201.865,16.305 h1 r180; TopOverlay "1" at 209.231,16.305 h1 r180; TopOverlay "2" at 206.945,16.305 h1 r180; TopOverlay "3" at 204.405,16.305 h1 r180
J18: TopOverlay "4" at 201.865,34.258 h1 r180; TopOverlay "1" at 209.231,34.258 h1 r180; TopOverlay "2" at 206.945,34.258 h1 r180; TopOverlay "3" at 204.405,34.258 h1 r180
J19: TopOverlay "4" at 208.723,5.611 h1; TopOverlay "1" at 201.357,5.611 h1; TopOverlay "2" at 203.643,5.611 h1; TopOverlay "3" at 206.183,5.611 h1
J20: TopOverlay "4" at 201.865,25.622 h1 r180; TopOverlay "1" at 209.231,25.622 h1 r180; TopOverlay "2" at 206.945,25.622 h1 r180; TopOverlay "3" at 204.405,25.622 h1 r180
J23: TopOverlay "4" at 190.565,16.255 h1 r180; TopOverlay "1" at 197.931,16.255 h1 r180; TopOverlay "2" at 195.645,16.255 h1 r180; TopOverlay "3" at 193.105,16.255 h1 r180
J24: TopOverlay "4" at 190.565,34.258 h1 r180; TopOverlay "1" at 197.931,34.258 h1 r180; TopOverlay "2" at 195.645,34.258 h1 r180; TopOverlay "3" at 193.105,34.258 h1 r180
J25: TopOverlay "4" at 197.423,5.611 h1; TopOverlay "1" at 190.057,5.611 h1; TopOverlay "2" at 192.343,5.611 h1; TopOverlay "3" at 194.883,5.611 h1
J26: TopOverlay "4" at 190.565,25.622 h1 r180; TopOverlay "1" at 197.931,25.622 h1 r180; TopOverlay "2" at 195.645,25.622 h1 r180; TopOverlay "3" at 193.105,25.622 h1 r180
J99: TopOverlay "30" at 158.551,20.873 h1.02 r270; Mechanical14 "30" at 158.551,20.873 h1.02 r270
J100: DrillDrawing "PRESS-FIT TECHNOLOGY" at 160.15,17 h1 r180; DrillDrawing "Diam. 0.5mm +/-0.05" at 160.15,18.5 h1 r180; TopOverlay "A" at 159.9,1.3 h1 r90; TopOverlay "B" at 158.5,1.3 h1 r90; TopOverlay "C" at 157.1,1.3 h1 r90; TopOverlay "D" at 155.7,2.3 h1 r90; TopOverlay "E" at 154.3,2.3 h1 r90; TopOverlay "F" at 152.9,2.3 h1 r90; TopOverlay "G" at 151.5,2.3 h1 r90; TopOverlay "H" at 150.1,2.3 h1 r90; TopOverlay "I" at 148.7,2.55 h1 r90; TopOverlay "J" at 147.3,2.3 h1 r90; TopOverlay "K" at 145.9,2.3 h1 r90; TopOverlay "L" at 144.5,2.3 h1 r90; TopOverlay "1" at 139.45,4.15 h1 r90; TopOverlay "2" at 139.45,6.15 h1 r90; TopOverlay "3" at 139.45,8.15 h1 r90; TopOverlay "4" at 139.45,10.15 h1 r90; TopOverlay "5" at 139.45,12.15 h1 r90; TopOverlay "6" at 139.45,14.15 h1 r90; Mechanical14 "A" at 159.9,1.3 h1 r90; Mechanical14 "B" at 158.5,1.3 h1 r90; Mechanical14 "C" at 157.1,1.3 h1 r90; Mechanical14 "D" at 155.7,2.3 h1 r90; Mechanical14 "E" at 154.3,2.3 h1 r90; Mechanical14 "F" at 152.9,2.3 h1 r90; Mechanical14 "G" at 151.5,2.3 h1 r90; Mechanical14 "H" at 150.1,2.3 h1 r90; Mechanical14 "I" at 148.7,2.55 h1 r90; Mechanical14 "J" at 147.3,2.3 h1 r90; Mechanical14 "K" at 145.9,2.3 h1 r90; Mechanical14 "L" at 144.5,2.3 h1 r90; Mechanical14 "1" at 139.45,4.15 h1 r90; Mechanical14 "2" at 139.45,6.15 h1 r90; Mechanical14 "3" at 139.45,8.15 h1 r90; Mechanical14 "4" at 139.45,10.15 h1 r90; Mechanical14 "5" at 139.45,12.15 h1 r90; Mechanical14 "6" at 139.45,14.15 h1 r90; Mechanical8 "Top Surface of Mother Board" at 173.75,5.125 h0.5 r90; Mechanical8 "Edge of Daugher Card" at 162.25,6.275 h0.5 r90
J104: TopOverlay "36" at 2.739,51.706 h1.2 r90; TopOverlay "1" at 9.574,51.841 h1.2 r90; TopOverlay "68" at 2.739,77.306 h1.2 r90; TopOverlay "33" at 9.571,76.62 h1.2 r90; Mechanical14 "1" at 9.574,51.841 h1.2 r90; Mechanical14 "33" at 9.571,76.62 h1.2 r90; Mechanical8 "EDGE OF PCB" at -1.722,60.983 h1 r90
LD2: TopOverlay "A" at 3.318,30.345 h1 r90; TopOverlay "B" at 5.858,30.345 h1 r90; TopOverlay "C" at 8.398,30.345 h1 r90; TopOverlay "D" at 10.938,30.345 h1 r90; TopOverlay "A" at 12.989,31.565 h1; TopOverlay "C" at 12.989,29.025 h1; Mechanical14 "A" at 3.318,30.345 h1 r90; Mechanical14 "B" at 5.858,30.345 h1 r90; Mechanical14 "C" at 8.398,30.345 h1 r90; Mechanical14 "D" at 10.938,30.345 h1 r90; Mechanical14 "C" at 12.989,29.025 h1; Mechanical14 "A" at 12.989,31.565 h1
LD3: TopOverlay "A" at 3.279,35.451 h1 r90; TopOverlay "B" at 5.819,35.451 h1 r90; TopOverlay "C" at 8.359,35.451 h1 r90; TopOverlay "D" at 10.899,35.451 h1 r90; TopOverlay "A" at 12.95,36.671 h1; TopOverlay "C" at 12.95,34.131 h1; Mechanical14 "A" at 3.279,35.451 h1 r90; Mechanical14 "B" at 5.819,35.451 h1 r90; Mechanical14 "C" at 8.359,35.451 h1 r90; Mechanical14 "D" at 10.899,35.451 h1 r90; Mechanical14 "C" at 12.95,34.131 h1; Mechanical14 "A" at 12.95,36.671 h1
SW1_1: TopOverlay "1" at 36.823,10.295 h1 r90; TopOverlay "ON" at 31.77,10.972 h0.89 r180; Mechanical14 "ON" at 31.108,11.311 h1 r90
SW1_2: TopOverlay "ON" at 31.77,20.972 h0.89 r180; TopOverlay "1" at 36.823,20.295 h1 r90; Mechanical14 "ON" at 31.108,21.311 h1 r90
SW1_3: TopOverlay "1" at 36.823,40.295 h1 r90; TopOverlay "ON" at 31.77,40.972 h0.89 r180; Mechanical14 "ON" at 31.108,41.311 h1 r90
SW1_4: TopOverlay "1" at 36.823,30.295 h1 r90; TopOverlay "ON" at 31.77,30.972 h0.89 r180; Mechanical14 "ON" at 31.108,31.311 h1 r90
SW1_5: TopOverlay "1" at 36.823,50.295 h1 r90; TopOverlay "ON" at 31.77,50.972 h0.89 r180; Mechanical14 "ON" at 31.108,51.311 h1 r90
SW1_6: TopOverlay "1" at 36.823,60.295 h1 r90; TopOverlay "ON" at 31.77,60.972 h0.89 r180; Mechanical14 "ON" at 31.108,61.311 h1 r90
SW1_7: TopOverlay "1" at 36.823,70.295 h1 r90; TopOverlay "ON" at 31.77,70.972 h0.89 r180; Mechanical14 "ON" at 31.108,71.311 h1 r90
SW1_8: TopOverlay "1" at 36.823,80.295 h1 r90; TopOverlay "ON" at 31.77,80.972 h0.89 r180; Mechanical14 "ON" at 31.108,81.311 h1 r90
SW1_9: TopOverlay "1" at 66.823,10.295 h1 r90; TopOverlay "ON" at 61.77,10.972 h0.89 r180; Mechanical14 "ON" at 61.108,11.311 h1 r90
SW1_10: TopOverlay "1" at 66.823,20.295 h1 r90; TopOverlay "ON" at 61.77,20.972 h0.89 r180; Mechanical14 "ON" at 61.108,21.311 h1 r90
SW1_11: TopOverlay "1" at 66.823,30.295 h1 r90; TopOverlay "ON" at 61.77,30.972 h0.89 r180; Mechanical14 "ON" at 61.108,31.311 h1 r90
SW1_12: TopOverlay "1" at 66.823,40.295 h1 r90; TopOverlay "ON" at 61.77,40.972 h0.89 r180; Mechanical14 "ON" at 61.108,41.311 h1 r90
SW1_13: TopOverlay "1" at 66.823,50.295 h1 r90; TopOverlay "ON" at 61.77,50.972 h0.89 r180; Mechanical14 "ON" at 61.108,51.311 h1 r90
SW1_14: TopOverlay "1" at 66.823,60.295 h1 r90; TopOverlay "ON" at 61.77,60.972 h0.89 r180; Mechanical14 "ON" at 61.108,61.311 h1 r90
SW1_15: TopOverlay "1" at 66.823,70.295 h1 r90; TopOverlay "ON" at 61.77,70.972 h0.89 r180; Mechanical14 "ON" at 61.108,71.311 h1 r90
SW1_16: TopOverlay "1" at 66.823,80.295 h1 r90; TopOverlay "ON" at 61.77,80.972 h0.89 r180; Mechanical14 "ON" at 61.108,81.311 h1 r90